# KiCad board ButterStick.kicad_pcb (continued)
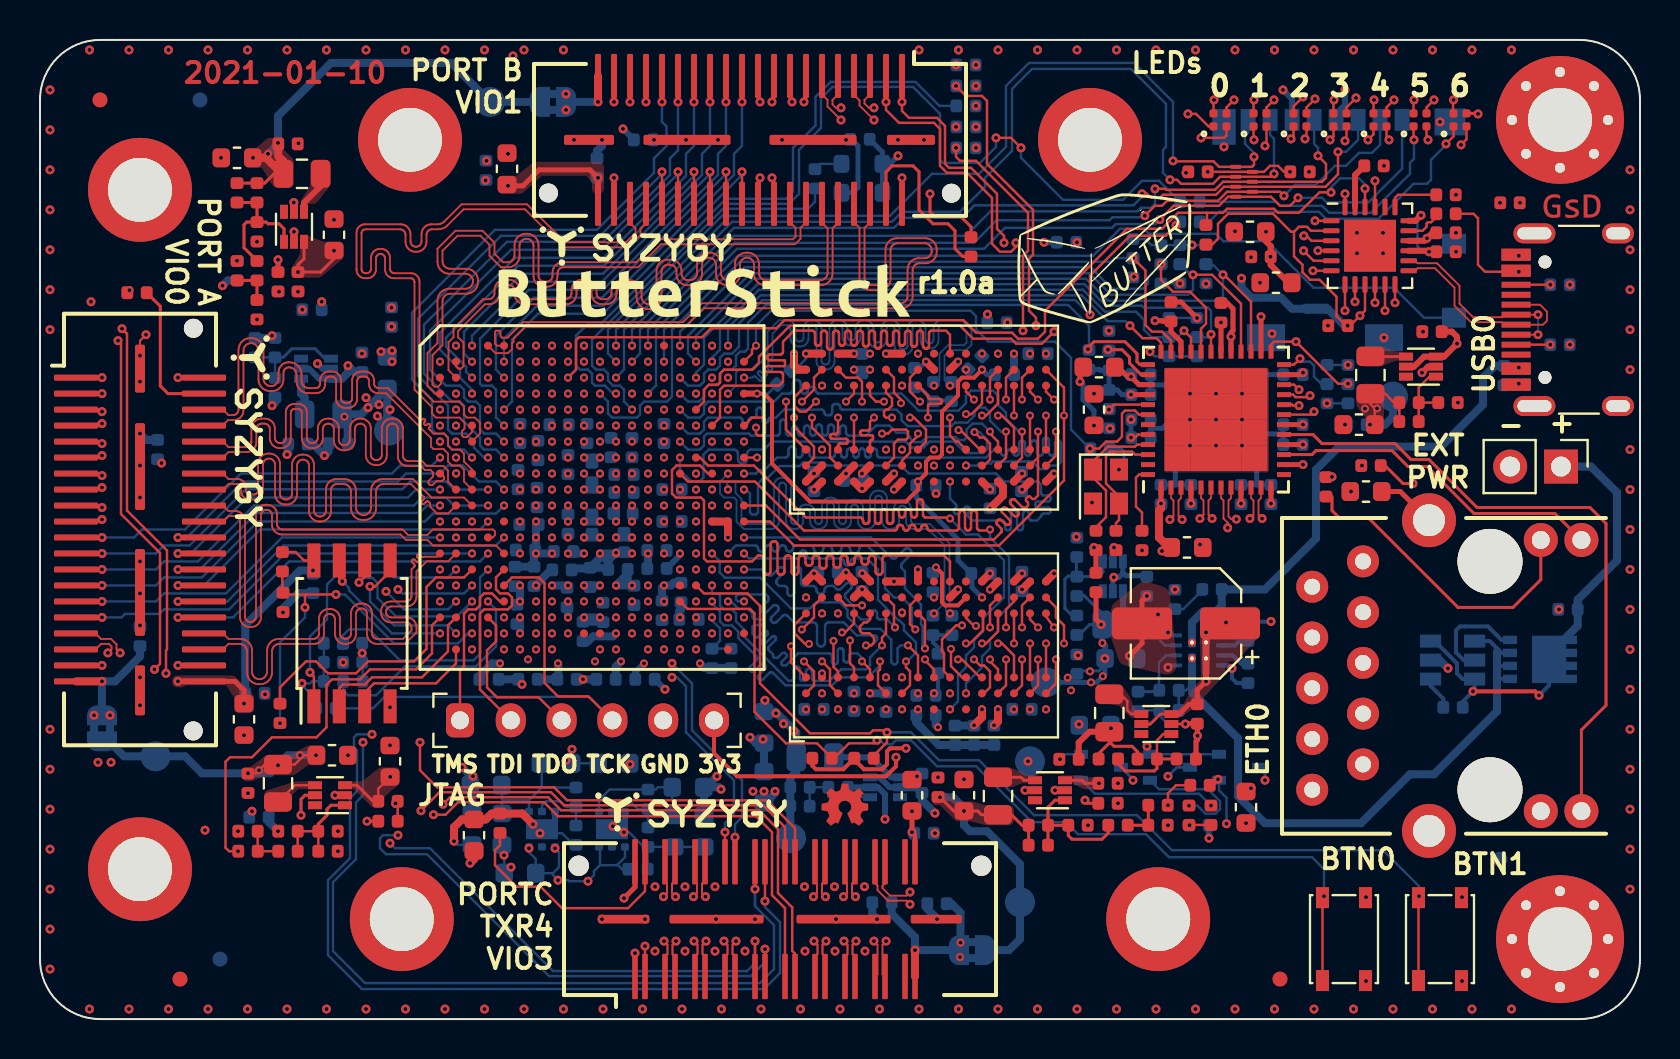
[diagram p0: board, top side]
## Routing (per net, layer and track width the routed paths; a pad name or vN(x,y) marks a point on that pad's centre or on a via; arc(x,y) is an arc through that point) (continued)
/FPGA-DDR3L/DQ10: length 29.5
  Top w0.12: v2(41.1,30.9) 41.1,31.9 40.9,32.1 40.3,32.1 U11.C8 ; v2(41.1,20.7) 40.3,20.7 U12.C8
  In2.Cu w0.12: v2(41.1,20.7) 41.1,20.95 39.9,22.15 39.9,23.3 38.19,25.01 38.16,25.05 38.14,25.1 38.12,25.15 38.12,25.21 38.14,25.26 38.16,25.32 38.19,25.36 38.42,25.59 38.46,25.63 38.48,25.68 38.49,25.73 38.49,25.79 38.48,25.85 38.46,25.9 38.42,25.94 38.38,25.97 38.33,26 38.27,26.01 38.22,26.01 38.16,26 38.11,25.97 38.07,25.94 37.84,25.71 37.8,25.68 37.75,25.65 37.69,25.64 37.64,25.64 37.58,25.65 37.53,25.68 37.49,25.71 36.3,26.9 34.2,26.9 34,26.7 34,26.25 33.85,26.1 32.4,26.1 v2(32,25.7)
  In5.Cu w0.12: v2(41.1,20.7) 40.7,21.1 40.7,25.9 40.5,26.1 40.5,26.45 39.85,27.1 39.85,27.45 40.51,28.11 40.51,29.36 41.1,29.95 v2(41.1,30.9)
/FPGA-DDR3L/DQ11: length 30.1
  Top w0.12: v2(39.1,17.9) 39.5,17.5 39.5,16.7 U12.C2 ; v2(38.6,30.1) 38.6,29.6 39.5,28.7 39.5,28.1 U11.C2
  In2.Cu w0.12: v2(39.1,17.9) 38.52,17.32 36.68,17.32 35.51,18.49 35.49,18.5 35.47,18.51 35.44,18.52 35.42,18.52 35.39,18.51 35.37,18.5 35.34,18.49 35.31,18.45 35.29,18.44 35.27,18.43 35.24,18.42 35.21,18.42 35.19,18.43 35.16,18.44 35.14,18.45 35.13,18.48 35.11,18.5 35.11,18.53 35.11,18.55 35.11,18.58 35.13,18.6 35.14,18.62 35.34,18.82 35.36,18.84 35.37,18.87 35.38,18.89 35.38,18.92 35.37,18.94 35.36,18.97 35.34,18.99 35.34,18.99 35.32,19.01 35.29,19.02 35.27,19.03 35.24,19.03 35.22,19.02 35.19,19.01 35.17,18.99 34.97,18.79 34.95,18.78 34.93,18.77 34.9,18.76 34.88,18.76 34.85,18.77 34.82,18.78 34.8,18.79 34.79,18.81 34.78,18.84 34.77,18.87 34.77,18.89 34.78,18.92 34.79,18.94 34.8,18.96 34.84,18.99 34.85,19.02 34.86,19.04 34.87,19.07 34.87,19.09 34.86,19.12 34.85,19.14 34.84,19.16 34.8,19.2 34.8,21.1 34.63,21.27 34.23,21.27 34.03,21.47 34.03,21.83 33.73,22.13 32.37,22.13 v2(32,22.5)
  In5.Cu w0.12: v2(39.1,17.9) 39.1,19.7 37.6,21.2 37.6,28.9 38.6,29.9 v2(38.6,30.1)
/FPGA-DDR3L/DQ12: length 29.9
  Top w0.12: U12.A7 37.72,19.72 37.72,19.31 38.25,18.77 v2(38.45,18.77) ; U11.A7 37.73,31.13 37.73,30.67 38,30.4 38.3,30.4 v2(38.8,30.9)
  In2.Cu w0.12: v2(33.6,24.1) 33.85,24.1 34.28,23.67 34.63,23.67 34.77,23.53 34.77,23.17 35.02,22.93 35.33,22.93 35.98,22.28 35.99,22.25 36.01,22.23 36.01,22.2 36.01,22.17 36.01,22.15 35.99,22.12 35.96,22.08 35.95,22.05 35.94,22.03 35.94,22 35.95,21.97 35.96,21.95 35.98,21.92 36.01,21.89 36.03,21.88 36.05,21.87 36.08,21.86 36.11,21.86 36.13,21.87 36.16,21.88 36.18,21.89 36.38,22.09 36.41,22.11 36.43,22.13 36.47,22.13 36.5,22.13 36.53,22.13 36.56,22.11 36.58,22.09 36.61,22.07 36.62,22.04 36.63,22.01 36.63,21.97 36.62,21.94 36.61,21.91 36.58,21.89 36.37,21.67 36.35,21.64 36.33,21.61 36.32,21.58 36.32,21.55 36.33,21.52 36.35,21.49 36.37,21.46 36.39,21.44 36.42,21.43 36.45,21.42 36.48,21.42 36.52,21.43 36.55,21.44 36.57,21.46 36.58,21.47 36.6,21.49 36.63,21.5 36.66,21.51 36.7,21.51 36.73,21.5 36.76,21.49 36.78,21.47 36.9,21.35 36.9,20.88 36.9,20.86 36.89,20.83 36.87,20.81 36.85,20.79 36.83,20.78 36.81,20.77 36.78,20.76 36.39,20.76 36.36,20.76 36.34,20.75 36.32,20.74 36.3,20.72 36.28,20.7 36.27,20.67 36.27,20.64 36.27,20.62 36.28,20.59 36.3,20.57 36.32,20.55 36.34,20.54 36.36,20.53 36.39,20.52 36.78,20.52 36.81,20.52 36.83,20.51 36.85,20.5 36.87,20.48 36.89,20.46 36.9,20.43 36.9,20.4 36.9,20.38 36.89,20.35 36.87,20.33 36.85,20.31 36.83,20.3 36.81,20.29 36.78,20.28 36.59,20.28 36.56,20.28 36.54,20.27 36.52,20.26 36.5,20.24 36.48,20.22 36.47,20.19 36.47,20.16 36.47,20.14 36.48,20.11 36.5,20.09 36.52,20.07 36.54,20.06 36.56,20.05 36.59,20.04 36.78,20.04 36.81,20.04 36.83,20.03 36.85,20.02 36.87,20 36.89,19.98 36.9,19.95 36.9,19.92 36.9,19.3 37.05,19.15 37.65,19.15 38.03,18.77 38.47,18.77
  In5.Cu w0.12: v2(38.45,18.77) 38.62,18.77 38.8,18.95 38.8,19.7 37.3,21.2 37.3,29 38.2,29.9 38.2,30.3 v2(38.8,30.9)
/FPGA-DDR3L/DQ13: length 30.3
  Top w0.12: U12.A2 38.7,16.7 38.7,17.4 v2(38.2,17.9) ; v2(37.7,30.1) 37.7,29.65 38.7,28.65 38.7,28.1 U11.A2
  In2.Cu w0.12: v2(38.2,17.9) 37.9,17.9 37.87,17.9 37.85,17.91 37.83,17.93 37.81,17.95 37.79,17.97 37.78,17.99 37.78,18.02 37.78,18.04 37.78,18.06 37.77,18.09 37.75,18.11 37.73,18.13 37.71,18.15 37.69,18.15 37.66,18.16 37.63,18.15 37.61,18.15 37.59,18.13 37.57,18.11 37.55,18.09 37.54,18.06 37.54,18.04 37.54,17.76 37.54,17.74 37.53,17.71 37.51,17.69 37.49,17.67 37.47,17.65 37.45,17.65 37.42,17.64 37.39,17.65 37.37,17.65 37.35,17.67 37.33,17.69 37.31,17.71 37.3,17.74 37.3,17.76 37.3,18.19 37.3,18.21 37.29,18.24 37.27,18.26 37.25,18.28 37.23,18.3 37.21,18.3 37.18,18.31 37.15,18.3 37.13,18.3 37.11,18.28 37.09,18.26 37.07,18.24 37.06,18.21 37.06,18.19 37.06,18.02 37.06,17.99 37.05,17.97 37.03,17.95 37.01,17.93 36.99,17.91 36.97,17.9 36.94,17.9 36.8,17.9 36.62,18.08 36.61,18.1 36.59,18.12 36.59,18.15 36.59,18.18 36.59,18.2 36.61,18.23 36.62,18.25 36.64,18.26 36.65,18.28 36.66,18.3 36.67,18.33 36.67,18.36 36.66,18.38 36.65,18.41 36.64,18.43 36.61,18.45 36.59,18.46 36.56,18.46 36.54,18.46 36.51,18.46 36.49,18.45 36.47,18.43 36.31,18.28 36.3,18.26 36.28,18.26 36.27,18.25 36.25,18.25 36.23,18.26 36.22,18.26 36.2,18.28 36.14,18.33 36.13,18.35 36.12,18.36 36.12,18.38 36.12,18.4 36.12,18.42 36.13,18.43 36.14,18.45 36.44,18.74 36.45,18.76 36.47,18.79 36.47,18.81 36.47,18.84 36.47,18.86 36.45,18.89 36.44,18.91 36.42,18.93 36.39,18.94 36.37,18.94 36.34,18.94 36.31,18.94 36.29,18.93 36.27,18.91 36.11,18.76 36.09,18.74 36.07,18.73 36.04,18.72 36.02,18.72 35.99,18.73 35.97,18.74 35.94,18.76 35.7,19 35.7,21.08 35.5,21.27 35.07,21.27 34.83,21.52 34.83,21.83 34.58,22.07 34.23,22.07 34.03,22.27 34.03,22.63 33.78,22.87 33.42,22.87 33.05,22.5 v2(32.8,22.5)
  In5.Cu w0.12: v2(37.7,30.1) 37,29.4 37,21.21 38.48,19.73 38.48,19.33 38.07,18.92 38.07,18.02 v2(38.2,17.9)
/FPGA-DDR3L/DQ14: length 30
  Top w0.12: U12.B8 38.7,20.7 38.7,20.1 v2(38.09,19.49) ; U11.B8 38.7,32.1 38.7,31.5 v2(38.1,30.9)
  In2.Cu w0.12: v2(32.8,24.1) 33,24.1 33.4,24.5 35.4,24.5 35.6,24.3 35.6,23.7 35.75,23.55 35.77,23.53 35.78,23.5 35.78,23.48 35.78,23.45 35.78,23.43 35.77,23.4 35.75,23.38 35.67,23.3 35.66,23.28 35.64,23.26 35.64,23.23 35.64,23.2 35.64,23.18 35.66,23.15 35.67,23.13 35.69,23.12 35.72,23.1 35.74,23.1 35.77,23.1 35.8,23.1 35.82,23.12 35.84,23.13 36.24,23.53 36.26,23.55 36.28,23.56 36.31,23.56 36.34,23.56 36.36,23.56 36.39,23.55 36.41,23.53 36.42,23.51 36.44,23.48 36.44,23.46 36.44,23.43 36.44,23.4 36.42,23.38 36.41,23.36 35.94,22.89 35.92,22.87 35.91,22.85 35.91,22.82 35.91,22.79 35.91,22.77 35.92,22.74 35.94,22.72 35.96,22.71 35.99,22.69 36.01,22.69 36.04,22.69 36.07,22.69 36.09,22.71 36.11,22.72 36.58,23.19 36.6,23.21 36.62,23.22 36.65,23.22 36.68,23.22 36.7,23.22 36.73,23.21 36.75,23.19 36.76,23.17 36.78,23.14 36.78,23.12 36.78,23.09 36.78,23.06 36.76,23.04 36.75,23.02 36.6,22.87 36.58,22.85 36.57,22.83 36.56,22.8 36.56,22.77 36.57,22.75 36.58,22.72 36.6,22.7 37.2,22.1 37.2,20 37.71,19.49 v2(38.09,19.49)
  In5.Cu w0.12: v2(38.09,19.49) 38.01,19.49 37.99,19.5 37.96,19.5 37.94,19.52 37.92,19.54 37.9,19.56 37.9,19.59 37.89,19.61 37.89,19.7 37.89,19.73 37.88,19.76 37.87,19.78 37.85,19.8 37.82,19.81 37.8,19.82 37.77,19.82 37.75,19.82 37.72,19.81 37.7,19.8 37.68,19.78 37.66,19.76 37.66,19.73 37.65,19.7 37.65,19.49 37.65,19.49 37.65,19.38 37.65,19.35 37.64,19.33 37.62,19.3 37.6,19.29 37.58,19.27 37.56,19.26 37.53,19.26 37.52,19.26 37.5,19.26 37.47,19.27 37.45,19.29 37.43,19.3 37.42,19.33 37.41,19.35 37.41,19.4 37.4,19.43 37.38,19.45 37.36,19.47 37.34,19.48 37.32,19.49 37.29,19.49 37.21,19.49 36.7,20 36.7,29 36.75,29.05 36.75,29.7 37.95,30.9 v2(38.1,30.9)
/FPGA-DDR3L/DQ15: length 29.6
  Top w0.12: U11.A3 37.3,29.5 v2(37.3,30.9) ; v2(37.55,18.65) 37.55,17.85 U12.A3
  In2.Cu w0.12: v2(32.8,23.3) 33,23.5 33,23.65 32.95,23.7 32.65,23.7 32.5,23.85 32.35,23.85 32.25,23.75 32.25,23.6 32.4,23.45 32.4,23.05 32.55,22.9 33.05,22.9 33.2,23.05 33.2,23.45 33.42,23.67 33.78,23.67 34.03,23.43 34.03,23.13 34.23,22.93 34.53,22.93 34.77,22.68 34.77,22.37 35.02,22.13 35.33,22.13 36,21.45 36,19.8 36.1,19.7 36.12,19.68 36.15,19.67 36.17,19.67 36.2,19.67 36.22,19.67 36.25,19.68 36.27,19.7 36.38,19.81 36.4,19.83 36.43,19.84 36.45,19.85 36.48,19.85 36.51,19.84 36.53,19.83 36.55,19.81 36.57,19.79 36.58,19.77 36.59,19.74 36.59,19.71 36.58,19.69 36.57,19.66 36.55,19.64 36.44,19.53 36.42,19.51 36.41,19.49 36.41,19.46 36.41,19.43 36.41,19.41 36.42,19.38 36.44,19.36 37.15,18.65 v2(37.55,18.65)
  In5.Cu w0.12: v2(37.3,30.9) 36.88,30.47 36.88,30.17 36.5,29.8 36.5,29.15 36.4,29.05 36.4,19.81 v2(37.55,18.65)
/FPGA-DDR3L/LDM: length 32.2
  Top w0.12: U11.E7 41.5,31.2 41.8,30.9 v2(42.2,30.9) ; v2(41.3,18.7) 41.56,18.7 41.7,18.84 41.7,19.08 41.47,19.31 41.11,19.31 41,19.42 41,19.65 41.2,19.85 41.35,19.85 41.5,20 U12.E7
  In5.Cu w0.12: v2(41.3,18.7) 41.42,18.82 41.42,19.52 41.7,19.8 41.7,23 41.5,23.2 41.5,23.3 41.5,23.32 41.49,23.34 41.48,23.36 41.46,23.38 41.44,23.39 41.42,23.4 41.38,23.4 41.36,23.41 41.34,23.42 41.32,23.44 41.31,23.46 41.3,23.48 41.3,23.5 41.3,23.54 41.3,23.56 41.31,23.58 41.32,23.6 41.34,23.62 41.36,23.63 41.38,23.64 41.42,23.64 41.44,23.65 41.46,23.66 41.48,23.68 41.49,23.7 41.5,23.72 41.5,23.74 41.5,23.78 41.5,23.8 41.49,23.82 41.48,23.84 41.46,23.86 41.44,23.87 41.42,23.88 41.38,23.88 41.36,23.89 41.34,23.9 41.32,23.92 41.31,23.94 41.3,23.96 41.3,23.98 41.3,24.02 41.3,24.04 41.31,24.06 41.32,24.08 41.34,24.1 41.36,24.11 41.38,24.12 41.42,24.12 41.44,24.13 41.46,24.14 41.48,24.16 41.49,24.18 41.5,24.2 41.5,24.22 41.5,24.26 41.5,24.28 41.49,24.3 41.48,24.32 41.46,24.34 41.44,24.35 41.42,24.36 41.38,24.36 41.36,24.37 41.34,24.38 41.32,24.4 41.31,24.42 41.3,24.44 41.3,24.46 41.3,24.5 41.3,24.52 41.31,24.54 41.32,24.56 41.34,24.58 41.36,24.59 41.38,24.6 41.42,24.6 41.44,24.61 41.46,24.62 41.48,24.64 41.49,24.66 41.5,24.68 41.5,24.7 41.5,24.74 41.5,24.76 41.49,24.78 41.48,24.8 41.46,24.82 41.44,24.83 41.42,24.84 41.38,24.84 41.36,24.85 41.34,24.86 41.32,24.88 41.31,24.9 41.3,24.92 41.3,24.94 41.3,24.98 41.3,25 41.31,25.02 41.32,25.04 41.34,25.06 41.36,25.07 41.38,25.08 41.42,25.08 41.44,25.09 41.46,25.1 41.48,25.12 41.49,25.14 41.5,25.16 41.5,25.18 41.5,25.22 41.5,25.24 41.49,25.26 41.48,25.28 41.46,25.3 41.44,25.31 41.42,25.32 41.38,25.32 41.36,25.33 41.34,25.34 41.32,25.36 41.31,25.38 41.3,25.4 41.3,25.42 41.3,25.46 41.3,25.48 41.31,25.5 41.32,25.52 41.34,25.54 41.36,25.55 41.38,25.56 41.42,25.56 41.44,25.57 41.46,25.58 41.48,25.6 41.49,25.62 41.5,25.64 41.5,25.66 41.5,27.5 41,28 41,28.65 41.3,28.95 41.3,29.15 42.2,30.05 v2(42.2,30.9)
  Bottom w0.12: v2(41.3,18.7) 41.57,18.7 41.85,18.97 41.85,19.12 41.78,19.2 40.84,19.2 40.19,19.85 39.45,19.85 39.41,19.84 39.36,19.83 39.33,19.81 39.29,19.77 39.27,19.74 39.26,19.69 39.25,19.65 39.25,18.85 39.24,18.81 39.23,18.76 39.21,18.73 39.17,18.69 39.14,18.67 39.09,18.66 39.05,18.65 39.01,18.66 38.96,18.67 38.93,18.69 38.89,18.73 38.87,18.76 38.86,18.81 38.85,18.85 38.85,19.65 38.84,19.69 38.83,19.74 38.81,19.77 38.77,19.81 38.74,19.83 38.69,19.84 38.65,19.85 37.7,19.85 37.38,20.17 37.35,20.2 37.31,20.21 37.27,20.22 37.23,20.22 37.2,20.21 37.16,20.2 37.13,20.17 36.84,19.88 36.81,19.86 36.77,19.84 36.74,19.83 36.7,19.83 36.66,19.84 36.62,19.86 36.59,19.88 36.57,19.91 36.55,19.95 36.54,19.99 36.54,20.03 36.55,20.06 36.57,20.1 36.59,20.13 36.88,20.42 36.91,20.45 36.92,20.49 36.93,20.52 36.93,20.56 36.92,20.6 36.91,20.64 36.88,20.67 36.85,20.69 36.82,20.71 36.78,20.72 36.74,20.72 36.7,20.71 36.67,20.69 36.63,20.67 36.34,20.38 36.31,20.35 36.28,20.34 36.24,20.33 36.2,20.33 36.16,20.34 36.13,20.35 36.1,20.38 36.07,20.41 36.06,20.44 36.05,20.48 36.05,20.52 36.06,20.56 36.07,20.59 36.1,20.62 36.39,20.92 36.41,20.95 36.43,20.98 36.44,21.02 36.44,21.06 36.43,21.1 36.41,21.13 36.39,21.16 36.3,21.25 34.9,21.25 34.8,21.15 34.8,21 34.9,20.9 v2(35.2,20.9)
/FPGA-DDR3L/LDQS_N: length 31.6
  In2.Cu w0.089: v2(43.1,17.1) 42.82,17.37 42.82,19 42.05,19.78 42.05,22.8 42.06,22.86 42.08,22.92 42.11,22.97 42.15,23.02 42.21,23.05 42.26,23.07 42.32,23.07 42.53,23.07 42.64,23.09 42.74,23.12 42.84,23.18 42.91,23.26 42.97,23.36 43.01,23.46 43.02,23.57 43.02,23.63 43.01,23.74 42.97,23.84 42.91,23.94 42.84,24.02 42.74,24.08 42.64,24.11 42.53,24.12 41.35,24.12 41.29,24.13 41.23,24.15 41.18,24.18 41.14,24.23 41.11,24.28 41.08,24.34 41.08,24.4 41.08,24.46 41.11,24.52 41.14,24.57 41.18,24.62 41.23,24.65 41.29,24.67 41.35,24.67 42.53,24.67 42.64,24.69 42.74,24.72 42.84,24.78 42.91,24.86 42.97,24.96 43.01,25.06 43.02,25.17 43.02,25.23 43.01,25.34 42.97,25.44 42.91,25.54 42.84,25.62 42.74,25.68 42.64,25.71 42.53,25.72 42.32,25.72 42.26,25.73 42.21,25.75 42.15,25.78 42.11,25.83 42.08,25.88 42.06,25.94 42.05,26 42.05,27.45 v2(43.1,28.5)
  In5.Cu w0.089: v2(43.1,17.1) 42.74,17.46 42.11,17.46 41.57,16.92 37.75,16.92 36.99,17.69 36.92,17.74 36.85,17.78 36.77,17.79 36.69,17.79 36.61,17.78 36.53,17.74 36.47,17.69 36.36,17.58 36.34,17.56 36.31,17.55 36.28,17.54 36.25,17.54 36.22,17.55 36.19,17.56 36.16,17.58 36.15,17.6 36.13,17.62 36.12,17.65 36.11,17.68 36.11,17.71 36.12,17.74 36.13,17.77 36.15,17.8 36.25,17.9 36.31,17.97 36.34,18.04 36.36,18.12 36.36,18.2 36.34,18.28 36.31,18.36 36.25,18.42 35.97,18.7 35.97,21.17 35.7,21.45 35.7,21.93 35.53,22.1 34.25,22.1 33.85,22.5 v2(33.6,22.5)
/FPGA-DDR3L/LDQS_P: length 31.6
  In2.Cu w0.089: v2(42.3,17.1) 42.57,17.37 42.57,18.9 41.8,19.67 41.8,22.83 41.81,22.94 41.85,23.04 41.91,23.14 41.99,23.22 42.08,23.28 42.18,23.31 42.29,23.32 42.5,23.32 42.56,23.33 42.62,23.35 42.67,23.38 42.71,23.43 42.74,23.48 42.77,23.54 42.77,23.6 42.77,23.66 42.74,23.72 42.71,23.77 42.67,23.82 42.62,23.85 42.56,23.87 42.5,23.87 41.32,23.87 41.21,23.89 41.11,23.92 41.01,23.98 40.94,24.06 40.88,24.16 40.84,24.26 40.83,24.37 40.83,24.43 40.84,24.54 40.88,24.64 40.94,24.74 41.01,24.82 41.11,24.88 41.21,24.91 41.32,24.92 42.5,24.92 42.56,24.93 42.62,24.95 42.67,24.98 42.71,25.03 42.74,25.08 42.77,25.14 42.77,25.2 42.77,25.26 42.74,25.32 42.71,25.37 42.67,25.42 42.62,25.45 42.56,25.47 42.5,25.47 42.29,25.47 42.18,25.49 42.08,25.52 41.99,25.58 41.91,25.66 41.85,25.76 41.81,25.86 41.8,25.97 41.8,27.55 42.3,28.05 v2(42.3,28.5)
  In2.Cu w0.1: 42.31,28.49 v2(42.3,28.5) ; 42.28,17.12 v2(42.3,17.1)
  In5.Cu w0.089: v2(34.4,21.7) 34.1,21.7 34,21.6 34,21.4 34.1,21.3 34.55,21.3 34.57,21.3 34.58,21.29 34.6,21.28 34.61,21.27 34.62,21.26 34.62,21.24 34.63,21.21 34.63,21.19 34.64,21.18 34.65,21.17 34.67,21.16 34.68,21.15 34.7,21.15 34.73,21.15 34.74,21.15 34.76,21.16 34.77,21.17 34.79,21.18 34.8,21.19 34.8,21.21 34.8,21.22 34.8,21.37 34.8,21.39 34.81,21.41 34.82,21.42 34.83,21.43 34.85,21.44 34.86,21.45 34.88,21.45 34.91,21.45 34.92,21.45 34.94,21.44 34.95,21.43 34.96,21.42 34.97,21.41 34.98,21.39 34.98,21.36 34.99,21.34 35,21.33 35.01,21.32 35.02,21.31 35.04,21.3 35.06,21.3 35.5,21.3 35.72,21.07 35.72,18.6 36.06,18.26 36.08,18.24 36.1,18.21 36.1,18.18 36.1,18.15 36.1,18.11 36.08,18.09 36.06,18.06 35.96,17.96 35.91,17.89 35.87,17.82 35.85,17.74 35.85,17.65 35.87,17.57 35.91,17.5 35.96,17.44 36,17.39 36.07,17.34 36.14,17.3 36.22,17.29 36.3,17.29 36.38,17.3 36.46,17.34 36.52,17.39 36.63,17.5 36.65,17.52 36.68,17.53 36.71,17.54 36.74,17.54 36.77,17.53 36.8,17.52 36.83,17.5 37.65,16.67 41.62,16.67 41.8,16.85 42,16.85 42.1,16.75 42.28,16.75 42.43,16.6 42.62,16.6 42.72,16.7 42.72,16.92 42.55,17.1 v2(42.3,17.1)
/FPGA-DDR3L/ODT0: length 32.1
  Bottom w0.12: v2(35.2,26.5) 35.3,26.5 35.5,26.3 35.5,25.35 35.6,25.25 35.8,25.25 35.9,25.35 35.9,26.8 36.15,27.05 36.35,27.05 36.97,27.67 37.97,27.67 38.15,27.85 39.2,27.85 39.35,27.7 43.05,27.7 43.45,27.3 47.8,27.3 48.2,26.9 49.9,26.9 50.05,26.75 50.05,26.35 50.05,26.32 50.06,26.28 50.08,26.26 50.11,26.23 50.13,26.21 50.17,26.2 50.2,26.2 50.39,26.2 50.42,26.2 50.45,26.19 50.48,26.17 50.51,26.14 50.52,26.12 50.53,26.08 50.54,26.05 50.53,26.02 50.52,25.98 50.51,25.96 50.48,25.93 50.45,25.91 50.42,25.9 50.39,25.9 49.91,25.9 49.87,25.9 49.84,25.89 49.82,25.87 49.79,25.85 49.78,25.82 49.77,25.79 49.76,25.76 49.76,25.74 49.77,25.71 49.78,25.68 49.79,25.65 49.82,25.63 49.84,25.61 49.87,25.6 49.91,25.6 50.39,25.6 50.42,25.6 50.45,25.59 50.48,25.57 50.51,25.54 50.52,25.52 50.53,25.48 50.54,25.45 50.53,25.42 50.52,25.38 50.51,25.36 50.48,25.33 50.45,25.31 50.42,25.3 50.39,25.3 50.2,25.3 50.17,25.3 50.13,25.29 50.11,25.27 50.08,25.24 50.06,25.22 50.05,25.18 50.05,25.15 49.85,24.95 49.6,24.95 49.57,24.95 49.53,24.96 49.51,24.98 49.48,25.01 49.46,25.03 49.45,25.07 49.45,25.1 49.45,25.29 49.45,25.32 49.44,25.35 49.42,25.38 49.39,25.41 49.37,25.42 49.33,25.43 49.3,25.44 49.27,25.43 49.23,25.42 49.21,25.41 49.18,25.38 49.16,25.35 49.15,25.32 49.15,25.29 49.15,24.61 49.15,24.58 49.14,24.55 49.12,24.52 49.09,24.49 49.07,24.48 49.03,24.47 49,24.46 48.97,24.47 48.93,24.48 48.91,24.49 48.88,24.52 48.86,24.55 48.85,24.58 48.85,24.61 48.85,25.29 48.85,25.32 48.84,25.35 48.82,25.38 48.79,25.41 48.77,25.42 48.73,25.43 48.7,25.44 48.67,25.43 48.63,25.42 48.61,25.41 48.58,25.38 48.56,25.35 48.55,25.32 48.55,25.29 48.55,24.61 48.55,24.58 48.54,24.55 48.52,24.52 48.49,24.49 48.47,24.48 48.43,24.47 48.4,24.46 48.37,24.47 48.33,24.48 48.31,24.49 48.28,24.52 48.26,24.55 48.25,24.58 48.25,24.61 48.25,24.8 48.25,24.83 48.24,24.87 48.22,24.89 48.19,24.92 48.17,24.94 48.13,24.95 48.1,24.95 46.6,24.95 46.41,25.14 46.39,25.16 46.38,25.2 46.37,25.23 46.37,25.26 46.38,25.29 46.39,25.32 46.41,25.35 46.45,25.39 46.47,25.41 46.48,25.44 46.49,25.48 46.49,25.51 46.48,25.54 46.47,25.57 46.45,25.6 46.42,25.62 46.39,25.63 46.36,25.64 46.32,25.64 46.29,25.63 46.26,25.62 46.23,25.6 45.95,25.32 45.93,25.29 45.9,25.28 45.86,25.27 45.83,25.27 45.8,25.28 45.77,25.29 45.74,25.32 45.72,25.34 45.7,25.37 45.7,25.4 45.7,25.44 45.7,25.47 45.72,25.5 45.74,25.53 45.77,25.56 45.8,25.59 45.81,25.62 45.82,25.65 45.82,25.69 45.81,25.72 45.8,25.75 45.77,25.77 45.5,26.05 v2(45.5,26.9)
/FPGA-DDR3L/ODT1: length 31.8
  Top w0.12: U4.H17 33,28.1 33.4,27.7 35.7,27.7 38.3,25.1 41,25.1 41.03,25.1 41.07,25.09 41.09,25.07 41.12,25.04 41.14,25.02 41.15,24.98 41.15,24.95 41.15,24.93 41.15,24.9 41.16,24.86 41.18,24.84 41.21,24.81 41.23,24.79 41.27,24.78 41.3,24.78 41.33,24.78 41.37,24.79 41.39,24.81 41.42,24.84 41.44,24.86 41.45,24.9 41.45,24.93 41.45,25.37 41.45,25.4 41.46,25.44 41.48,25.46 41.51,25.49 41.53,25.51 41.57,25.52 41.6,25.52 41.63,25.52 41.67,25.51 41.69,25.49 41.72,25.46 41.74,25.44 41.75,25.4 41.75,25.37 41.75,24.93 41.75,24.9 41.76,24.86 41.78,24.84 41.81,24.81 41.83,24.79 41.87,24.78 41.9,24.78 41.93,24.78 41.97,24.79 41.99,24.81 42.02,24.84 42.04,24.86 42.05,24.9 42.05,24.93 42.05,25.37 42.05,25.4 42.06,25.44 42.08,25.46 42.11,25.49 42.13,25.51 42.17,25.52 42.2,25.52 42.23,25.52 42.27,25.51 42.29,25.49 42.32,25.46 42.34,25.44 42.35,25.4 42.35,25.37 42.35,24.93 42.35,24.9 42.36,24.86 42.38,24.84 42.41,24.81 42.43,24.79 42.47,24.78 42.5,24.78 42.53,24.78 42.57,24.79 42.59,24.81 42.62,24.84 42.64,24.86 42.65,24.9 42.65,24.93 42.65,25.37 42.65,25.4 42.66,25.44 42.68,25.46 42.71,25.49 42.73,25.51 42.77,25.52 42.8,25.52 42.83,25.52 42.87,25.51 42.89,25.49 42.92,25.46 42.94,25.44 42.95,25.4 42.95,25.37 42.95,25.25 42.95,25.22 42.96,25.18 42.98,25.16 43.01,25.13 43.03,25.11 43.07,25.1 43.1,25.1 43.13,25.1 43.17,25.11 43.19,25.13 43.22,25.16 43.24,25.18 43.25,25.22 43.25,25.25 43.25,25.37 43.25,25.4 43.26,25.44 43.28,25.46 43.31,25.49 43.33,25.51 43.37,25.52 43.4,25.52 43.43,25.52 43.47,25.51 43.49,25.49 43.52,25.46 43.54,25.44 43.55,25.4 43.55,25.37 43.55,25.25 43.55,25.22 43.56,25.18 43.58,25.16 43.61,25.13 43.63,25.11 43.67,25.1 43.7,25.1 43.73,25.1 43.77,25.11 43.79,25.13 43.82,25.16 43.84,25.18 43.85,25.22 43.85,25.25 43.85,25.87 43.85,25.9 43.86,25.94 43.88,25.96 43.91,25.99 43.93,26.01 43.97,26.02 44,26.02 44.03,26.02 44.07,26.01 44.09,25.99 44.12,25.96 44.14,25.94 44.15,25.9 44.15,25.87 44.15,25.25 44.15,25.22 44.16,25.18 44.18,25.16 44.21,25.13 44.23,25.11 44.27,25.1 44.3,25.1 45.45,25.1 v2(45.5,25.05)
  Bottom w0.12: v2(45.5,15.5) 45.9,15.9 45.9,17.2 46.3,17.6 46.3,18.2 46.7,18.6 46.7,18.95 47.15,19.4 47.15,20.05 48.2,21.1 48.2,22.95 46.9,24.25 46.3,24.25 v2(45.5,25.05)
/FPGA-DDR3L/RAS: length 37.3
  Top w0.12: U12.J3 44.7,17.5 44.25,17.95 v2(44.25,18)
  In2.Cu w0.12: v2(33.6,26.5) 33.2,26.9 33.2,27.45 33.45,27.7 35.35,27.7 35.75,27.3 36.49,27.3 36.52,27.3 36.55,27.29 36.58,27.27 36.6,27.25 36.62,27.22 36.63,27.19 36.63,27.15 36.63,27.04 36.64,27.01 36.65,26.98 36.67,26.95 36.69,26.93 36.72,26.91 36.75,26.9 36.78,26.9 36.81,26.9 36.84,26.91 36.87,26.93 36.89,26.95 36.91,26.98 36.92,27.01 36.93,27.04 36.93,27.15 36.93,27.19 36.94,27.22 36.96,27.25 36.98,27.27 37.01,27.29 37.04,27.3 37.07,27.3 37.1,27.3 37.13,27.29 37.16,27.27 37.18,27.25 37.2,27.22 37.21,27.19 37.22,27.15 37.22,26.84 37.22,26.81 37.23,26.78 37.25,26.75 37.27,26.73 37.3,26.71 37.33,26.7 37.36,26.7 37.39,26.7 37.42,26.71 37.45,26.73 37.47,26.75 37.49,26.78 37.5,26.81 37.5,26.84 37.5,27.15 37.51,27.19 37.52,27.22 37.54,27.25 37.56,27.27 37.59,27.29 37.62,27.3 37.65,27.3 37.8,27.3 38.2,26.9 39,26.9 39.03,26.9 39.05,26.89 39.08,26.87 39.1,26.85 39.11,26.83 39.12,26.8 39.12,26.77 39.12,26.62 39.13,26.6 39.14,26.57 39.15,26.55 39.17,26.53 39.2,26.51 39.22,26.5 39.25,26.5 39.28,26.5 39.3,26.51 39.33,26.53 39.35,26.55 39.36,26.57 39.37,26.6 39.38,26.62 39.38,27.37 39.38,27.4 39.39,27.43 39.4,27.45 39.42,27.47 39.45,27.49 39.47,27.5 39.5,27.5 39.53,27.5 39.55,27.49 39.58,27.47 39.6,27.45 39.61,27.43 39.62,27.4 39.62,27.37 39.62,25.87 39.63,25.85 39.64,25.82 39.65,25.8 39.67,25.78 39.7,25.76 39.72,25.75 39.75,25.75 39.78,25.75 39.8,25.76 39.83,25.78 39.85,25.8 39.86,25.82 39.87,25.85 39.88,25.87 39.88,26.77 39.88,26.8 39.89,26.83 39.9,26.85 39.92,26.87 39.95,26.89 39.97,26.9 40,26.9 40.05,26.9 40.08,26.9 40.1,26.89 40.13,26.87 40.15,26.85 40.16,26.83 40.17,26.8 40.18,26.77 40.18,25.87 40.18,25.85 40.19,25.82 40.2,25.8 40.22,25.78 40.25,25.76 40.27,25.75 40.3,25.75 40.33,25.75 40.35,25.76 40.38,25.78 40.4,25.8 40.41,25.82 40.42,25.85 40.43,25.87 40.43,26.77 40.43,26.8 40.44,26.83 40.45,26.85 40.47,26.87 40.5,26.89 40.52,26.9 40.55,26.9 41.35,26.9 41.5,27.05 41.5,28.55 41.85,28.9 42.3,28.9 42.34,28.9 42.38,28.92 42.41,28.94 42.44,28.97 42.46,29 42.47,29.04 42.47,29.07 42.47,29.17 42.48,29.21 42.49,29.25 42.51,29.28 42.54,29.31 42.57,29.33 42.61,29.35 42.65,29.35 42.69,29.35 42.73,29.33 42.76,29.31 42.79,29.28 42.81,29.25 42.82,29.21 42.82,29.17 42.82,29.07 42.83,29.04 42.84,29 42.86,28.97 42.89,28.94 42.92,28.92 42.96,28.9 43,28.9 43.04,28.9 43.08,28.92 43.11,28.94 43.14,28.97 43.16,29 43.17,29.04 43.18,29.07 43.18,29.17 43.18,29.21 43.19,29.25 43.21,29.28 43.24,29.31 43.27,29.33 43.31,29.35 43.35,29.35 43.39,29.35 43.43,29.33 43.46,29.31 43.49,29.28 43.51,29.25 43.52,29.21 43.53,29.17 43.53,28.22 43.53,28.19 43.54,28.15 43.56,28.12 43.59,28.09 43.62,28.07 43.66,28.05 43.7,28.05 43.74,28.05 43.78,28.07 43.81,28.09 43.84,28.12 43.86,28.15 43.87,28.19 43.88,28.22 43.88,28.72 43.88,28.76 43.89,28.8 43.91,28.83 43.94,28.86 43.97,28.88 44.01,28.9 44.05,28.9 44.3,28.9 v2(44.7,28.5) 44.27,28.07 44.27,19.85 44.65,19.47 44.65,18.27 44.38,18 v2(44.25,18)
/FPGA-DDR3L/RST: length 43.6
  Top w0.12: v2(50.8,29.4) 50.8,28.2 U11.T2 ; U4.E17 33.2,30.9 33.2,31.5 33.45,31.75 33.9,31.75 34,31.85 34,32.3 34.2,32.5 35.6,32.5 35.95,32.85 35.95,33.15 37.5,34.7 46,34.7 46.65,34.05 48.55,34.05 48.8,33.8 50.1,33.8 v1(50.7,34.4) ; U12.T2 50.8,16.8 v2(50.8,18)
  In5.Cu w0.12: v2(50.8,18) 51.1,18 51.6,18.5 51.6,20.6 52.2,21.2 52.2,23.7 52.35,23.85 52.35,24.85 52.2,25 52.2,28 51.9,28.3 51.9,29.1 51.6,29.4 ; 51.6,29.4 v2(50.8,29.4) ; 51.6,29.4 51.6,30.8 51.2,31.2 51.2,33.9 v1(50.7,34.4)
/FPGA-DDR3L/UDM: length 30.2
  Top w0.12: U12.D3 40.7,17.6 40.5,17.8 v2(40.5,18.95) ; v2(40.7,30.1) U11.D3
  In2.Cu w0.12: v2(33.6,25.7) 33.8,25.7 34.2,26.1 36.7,26.1 38.32,24.48 38.34,24.44 38.36,24.4 38.37,24.36 38.37,24.32 38.36,24.27 38.34,24.23 38.32,24.2 38.23,24.11 38.2,24.07 38.18,24.03 38.17,23.99 38.17,23.94 38.18,23.9 38.2,23.86 38.23,23.82 38.26,23.8 38.3,23.78 38.35,23.77 38.39,23.77 38.43,23.78 38.48,23.8 38.51,23.82 38.6,23.91 38.63,23.94 38.67,23.96 38.72,23.97 38.76,23.97 38.81,23.96 38.85,23.94 38.88,23.91 38.91,23.88 38.93,23.84 38.94,23.79 38.94,23.75 38.93,23.71 38.91,23.67 38.88,23.63 38.79,23.54 38.77,23.51 38.75,23.47 38.74,23.42 38.74,23.38 38.75,23.33 38.77,23.29 38.79,23.26 38.83,23.23 38.87,23.21 38.91,23.2 38.96,23.2 39,23.21 39.04,23.23 39.08,23.26 39.16,23.35 39.2,23.38 39.24,23.4 39.28,23.41 39.33,23.41 39.37,23.4 39.41,23.38 39.45,23.35 39.62,23.17 39.62,22.02 40.72,20.92 40.72,19.52 40.5,19.3 v2(40.5,18.95)
  In5.Cu w0.12: v2(40.7,30.1) 40.7,30.05 40.3,29.65 40.3,28.3 39.6,27.6 39.6,26.95 40.1,26.45 40.1,25.98 40.1,25.95 40.11,25.93 40.13,25.91 40.15,25.89 40.17,25.87 40.19,25.86 40.22,25.86 40.28,25.86 40.31,25.86 40.33,25.85 40.35,25.83 40.37,25.81 40.39,25.79 40.4,25.77 40.4,25.74 40.4,25.71 40.39,25.69 40.37,25.67 40.35,25.65 40.33,25.63 40.31,25.62 40.28,25.62 40.22,25.62 40.19,25.62 40.17,25.61 40.15,25.59 40.13,25.57 40.11,25.55 40.1,25.53 40.1,25.5 40.1,25.45 40.4,25.15 40.4,23.15 39.85,22.6 39.85,22.15 40.41,21.59 40.41,20.94 40.71,20.64 40.71,20.35 40.85,20.21 40.85,19.35 40.5,19 v2(40.5,18.95)
/FPGA-DDR3L/UDQS_N: length 29.5
  In2.Cu w0.089: v2(39.1,20.3) 38.88,20.3 38.86,20.3 38.84,20.29 38.82,20.28 38.81,20.27 38.79,20.25 38.79,20.23 38.79,20.21 38.79,20.09 38.78,20.07 38.78,20.05 38.77,20.03 38.75,20.02 38.74,20.01 38.72,20 38.7,20 38.68,20 38.66,20.01 38.64,20.02 38.63,20.03 38.62,20.05 38.61,20.07 38.61,20.09 38.61,20.21 38.61,20.23 38.6,20.25 38.59,20.27 38.57,20.28 38.56,20.29 38.54,20.3 38.52,20.3 38.5,20.3 38.48,20.29 38.46,20.28 38.45,20.27 38.44,20.25 38.43,20.23 38.43,20.21 38.43,20.09 38.43,20.07 38.42,20.05 38.41,20.03 38.4,20.02 38.38,20.01 38.36,20 38.34,20 38.32,20 38.3,20.01 38.29,20.02 38.27,20.03 38.26,20.05 38.25,20.07 38.25,20.09 38.25,20.21 38.25,20.23 38.24,20.25 38.23,20.27 38.22,20.28 38.2,20.29 38.18,20.3 38.16,20.3 37.97,20.3 37.55,20.72 37.55,22.8 36.44,23.91 36.42,23.92 36.41,23.93 36.39,23.93 36.37,23.93 36.35,23.93 36.33,23.92 36.31,23.91 36.09,23.69 36.08,23.68 36.06,23.67 36.04,23.66 36.02,23.66 36,23.67 35.98,23.68 35.97,23.69 35.96,23.7 35.95,23.72 35.94,23.74 35.94,23.76 35.95,23.78 35.96,23.8 35.97,23.81 36.19,24.03 36.2,24.05 36.21,24.07 36.21,24.09 36.21,24.11 36.21,24.13 36.2,24.14 36.19,24.16 36.17,24.17 36.15,24.18 36.14,24.19 36.12,24.19 36.1,24.18 36.08,24.17 36.06,24.16 36.02,24.12 36,24.1 35.99,24.1 35.97,24.09 35.95,24.09 35.93,24.1 35.91,24.1 35.89,24.12 35.88,24.13 35.87,24.15 35.87,24.17 35.87,24.19 35.87,24.21 35.88,24.23 35.89,24.24 35.94,24.29 35.95,24.3 35.96,24.32 35.96,24.34 35.96,24.36 35.96,24.38 35.95,24.4 35.94,24.41 35.57,24.77 33.22,24.77 32.95,24.5 32.7,24.5 32.62,24.57 32.62,24.72 v2(32.8,24.9)